# Altium PCB PCB2.PcbDoc
Units mm, origin at the board's own origin, x right, y up, seen from the top; angles counter-clockwise.
Board outline 80.03 x 99.93 mm, 2 copper layers (Top Layer, Bottom Layer); 22 components, 22 nets, 110 pads, 0 vias.
Unrouted connection lines stored in the file: 22.
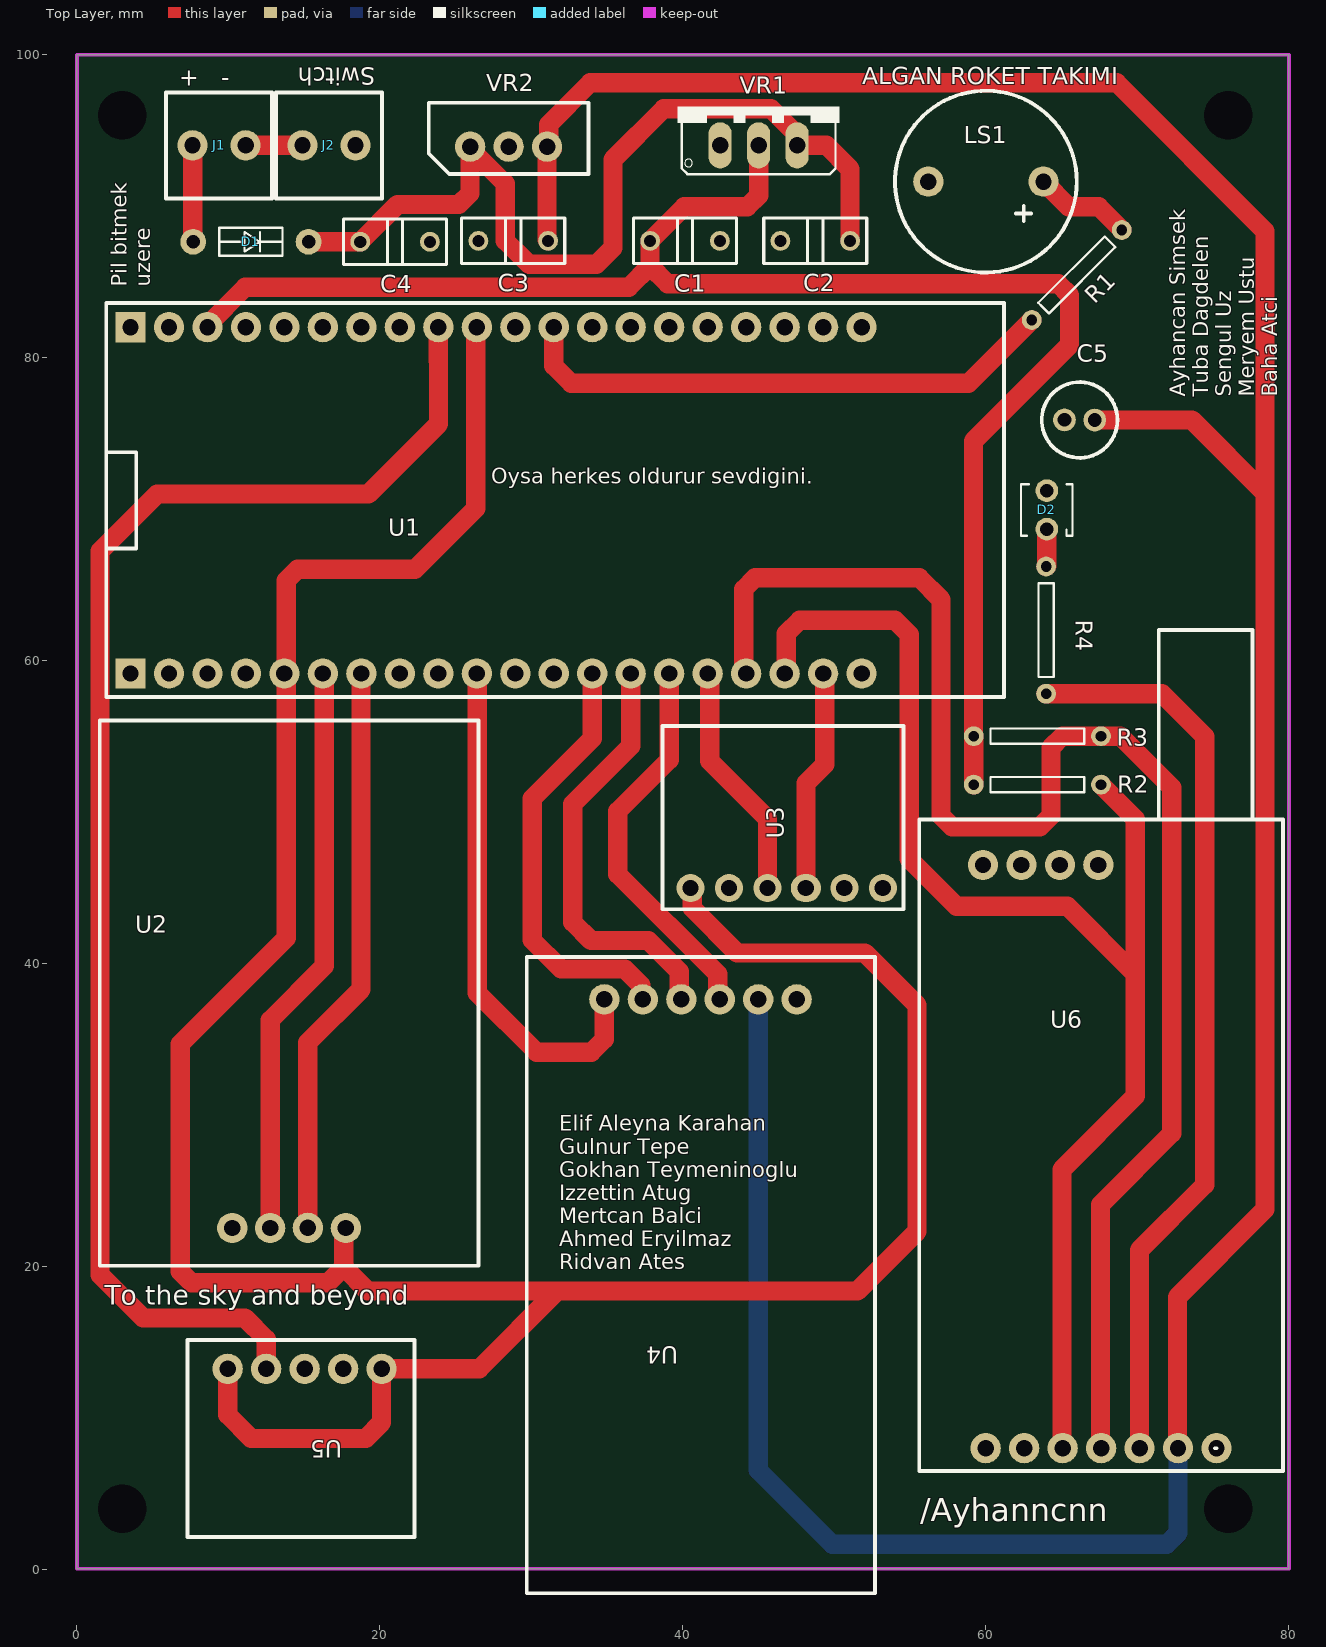
[diagram p0: Top Layer view]
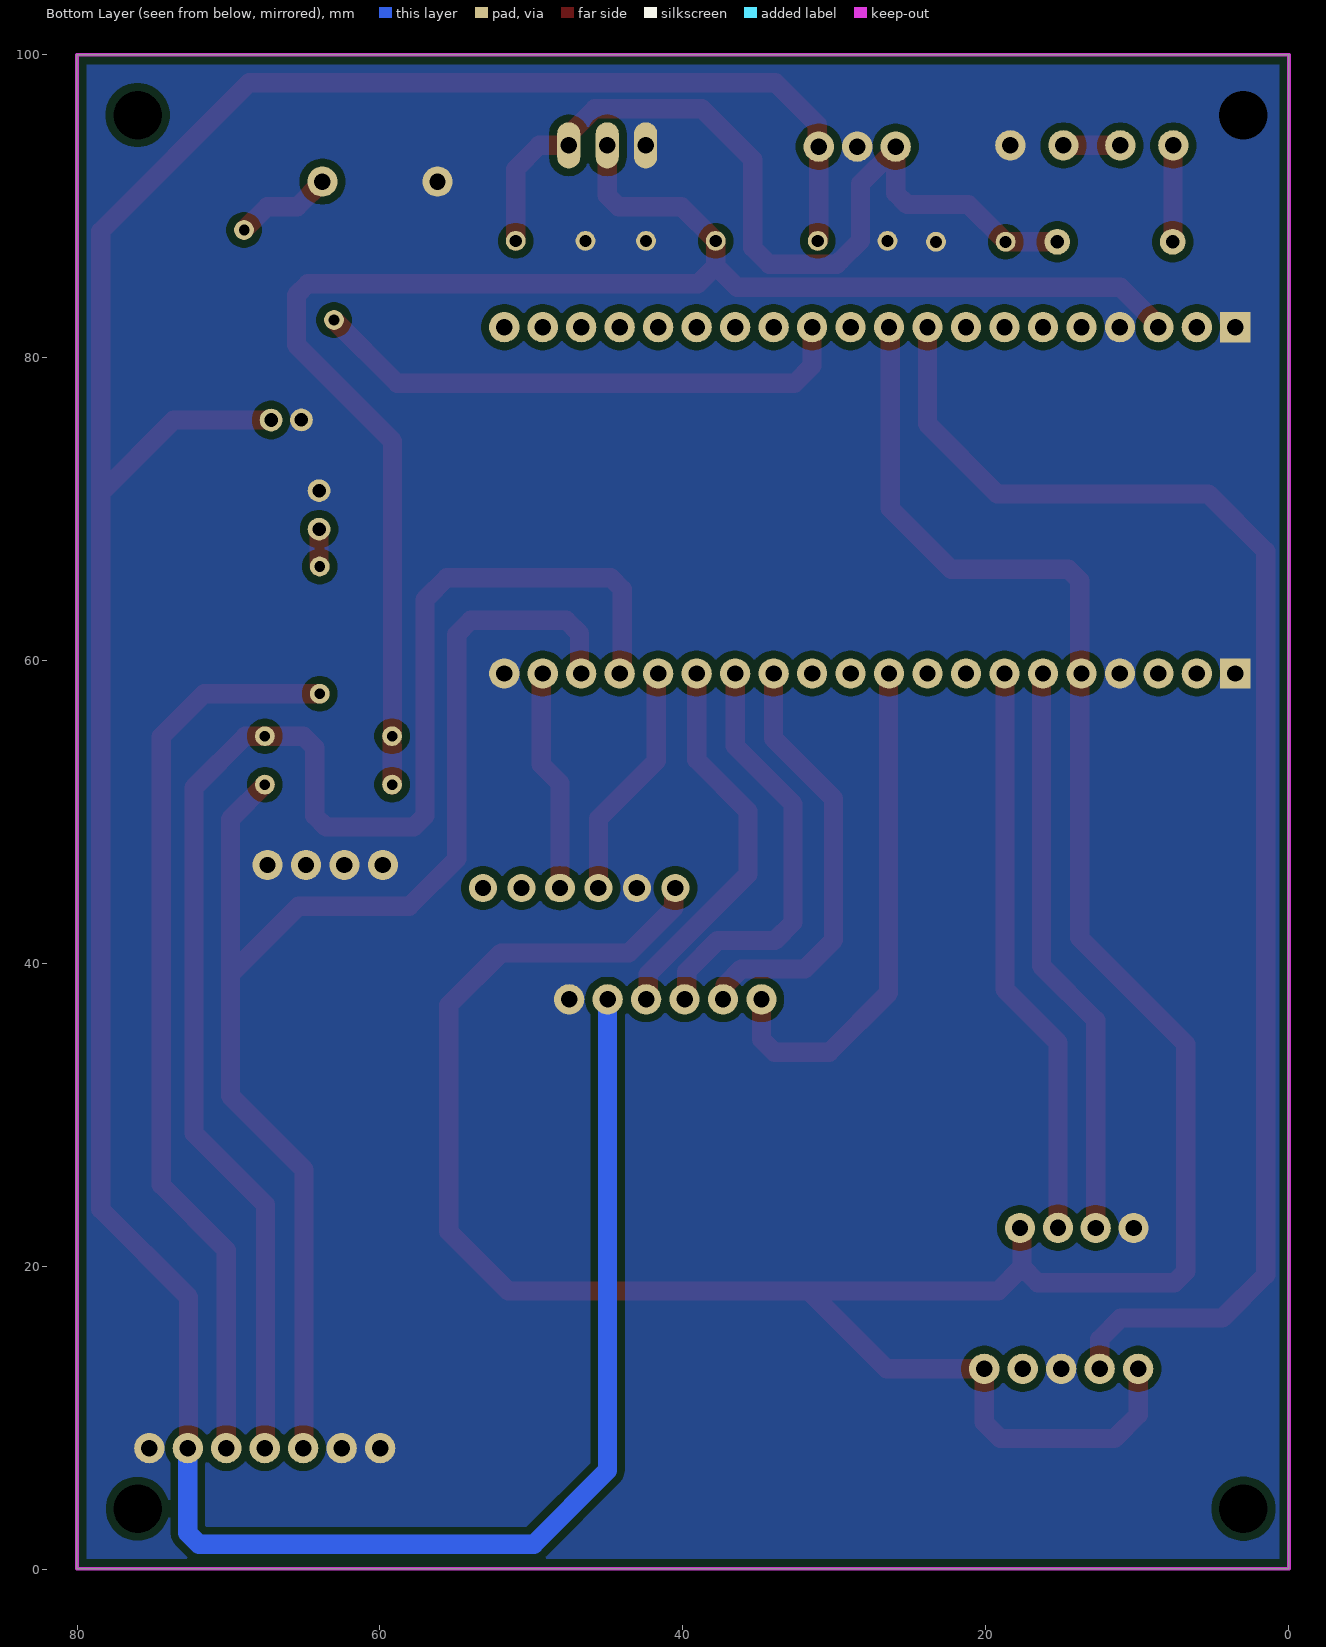
[diagram p1: Bottom Layer view, seen from below]
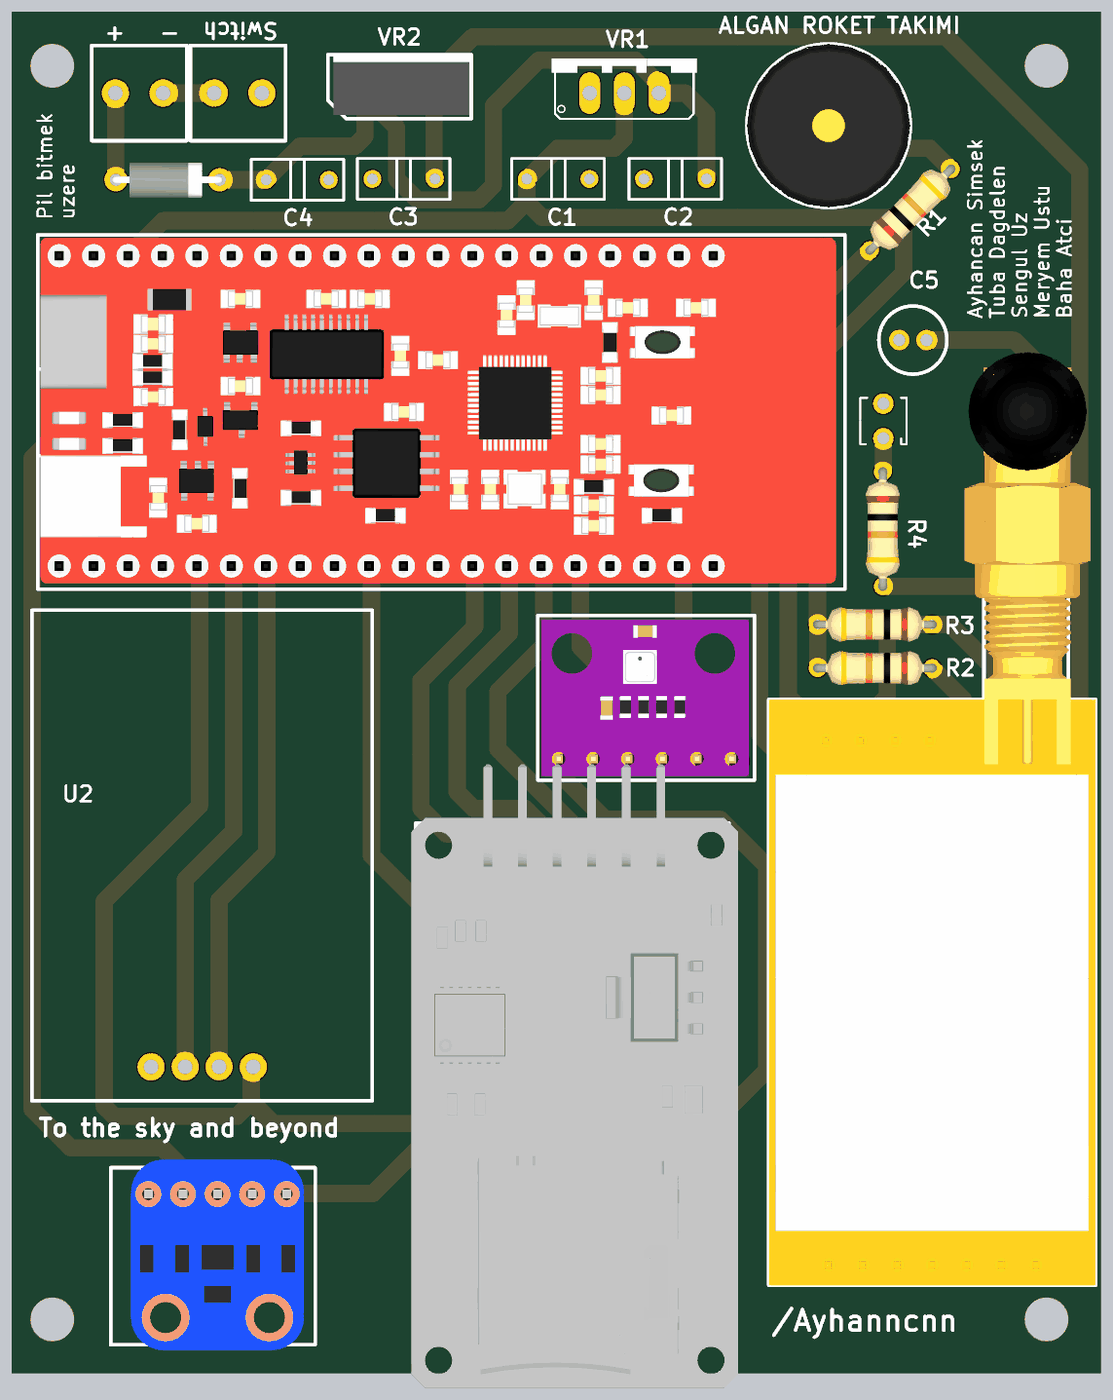
[diagram p2: 3D render of the assembled board from above, using the file's embedded part models]

## Layer stack, top to bottom
Top Solder: solder mask 0.0102, Solder Resist, Dk 3.5
Top Layer: signal copper 0.0356
Dielectric 1: dielectric 0.32, FR-4, Dk 4.8
Bottom Layer: signal copper 0.0356
Bottom Solder: solder mask 0.0102, Solder Resist, Dk 3.5

## Board outline
0,0.046 80.015,0.046 80.002,0.058 80.002,99.979 -0.01,99.979 0,99.969

## Design rules (kind name [scope] priority, off if disabled: settings)
AssemblyTestpoint AssemblyTestpoint_1 [All] p1: testpointundercomponent=TRUE minsize=1.016 maxsize=2.54 preferedsize=1.524 minholesize=0 maxholesize=1.016 preferedholesize=0.813 testpointgrid=0.025 usegrid=TRUE gridtolerance=0 allowsidetop=TRUE allowsidebottom=TRUE
Clearance [All] p1: gap=0.254 ignorepadtopadclearanceinfootprint=FALSE except(0.15: Arc-Text Track-Text SMDPad-Text THPad-Text Via-Text Fill-Text Poly-Text Region-Text Text-Text; 0.508: Arc-Poly Track-Poly SMDPad-Poly THPad-Poly Via-Poly Fill-Poly Poly-Poly)
Height [All] p1: minheight=0 maxheight=2539.975 prefheight=12.7
HoleSize [All] p1: absolutevalues=TRUE maxlimit=3.5 minlimit=0.025 maxpercent=80.000 minpercent=20.000
PlaneClearance [All] p1: clearance=1.016
PolygonConnect [All] p1: connectstyle=Direct reliefconductorwidth=0.508 reliefentries=4 polygonreliefangle="90 Angle" airgapwidth=0.508
RoutingVias [All] p1: holewidth=5 width=1 viastyle="Through Hole" minholewidth=5 minwidth=1 maxholewidth=5 maxwidth=1
SolderMaskExpansion [All] p1: expansion=0.102 istentingtop=FALSE
Width [All] p1: maxlimit=2.54 minlimit=1.016 preferedwidth=1.27 minimp=50.000000 maximp=50.000000 favimp=50.000000
26 further rules are at their usual default settings.

## Components (designator, comment, footprint, x,y, rotation, side; value= is the part's Value field where it differs from the comment)
C1 "10µF" LCAPACITOR 40.14,87.696 r180 top
C2 "100nF" LCAPACITOR 48.738,87.696 r0 top
C3 "0.33µF" LCAPACITOR 28.801,87.696 r0 top
C4 "0.1µF" LCAPACITOR 21,87.633 r180 top
C5 "1µF" CAPACITOR 66.187,75.872 r180 top
D1 "Diode" ZENER 11.483,87.633 r180 top
D2 "Led" LED 64.021,69.936 r270 top
J1 "Klemens" KLEMENS 9.383,94 r0 top
J2 "Klemens" KLEMENS 16.637,94 r0 top
LS1 "Buzzer" BUZZER 60,91.608 r270 top
R1 "1Ω" RESISTOR 66.002,85.443 r45 top
R2 "4.7kΩ" RESISTOR 63.4,51.8 r180 top
R3 "4.7kΩ" RESISTOR 63.4,55 r180 top
R4 "330Ω" RESISTOR 63.978,62 r270 top
U1 "ESP32 Thing" "ESP32 THING" 3.536,81.996 r270 top
U2 "NEO6MV2" NEO6MV2 14.004,22.539 r180 top
U3 "BMP80" BMP280 46.851,44.973 r180 top
U4 "SD Card Modul" "SD CARD MODüLü" 41.163,37.625 r270 top
U5 "ML8511" ML8511 15.032,13.238 r180 top
U6 "LORA E32" LORAE32 67.607,8 r180 top
VR1 "LD1117" LD1117 45,94 r0 top
VR2 "LM7805" LM7805 28.5,94 r0 top

## Footprints (in the part's own frame and the unit in brackets; to place one, negate y for a bottom-side part, rotate by r counter-clockwise, add the part's x,y. Pads: shape width x height; smd on the part's side, far side on the other; paste and mask are expansions set on the pad)
BMP280 [mm]
  round 1.86 hole 1.08: 1(6.35,0) 2(3.81,0) 3(1.27,0) 5(-3.81,0) 6(-6.35,0)
  oval 2x1.86 hole 1.08: 4(-1.27,0)
  silkscreen extent -7.7,-10.7 8.2,1.4, body extent -7.4,-10.4 7.94,1.1, height 2.6
BUZZER [mm]
  round 2 hole 1.08 mask+0.05: 1(0,3.8) 2(0,-3.8)
  silkscreen extent -6,-6 6,6, body extent -6,-6 6,6, height 9.5
CAPACITOR [mm]
  round 1.5 hole 0.9 mask+0.05: 1(-1,0.004) 2(1,-0.004)
  silkscreen extent -2.5,-2.5 2.5,2.5, body extent -2.58,-2.58 2.58,2.57, height 11.45
"ESP32 THING" [mm]
  round 2 hole 1.08 mask+0.05: 0(22.86,20.32) 2(22.86,22.86) 3V3_1(0,10.16) 3V3_2(22.86,10.16) 4(22.86,17.78) 5(22.86,27.94) 12(0,17.78) 13(0,15.24) 14(0,20.32) 15(22.86,25.4) 16(22.86,12.7) 17(22.86,15.24) 18(22.86,30.48) 19(22.86,35.56) 21(22.86,45.72) 22(22.86,38.1) 23(22.86,33.02) 25(0,27.94) 26(0,25.4) 27(0,22.86) 32(0,38.1) 33(0,35.56) 34(0,33.02) 35(0,30.48) 36(0,48.26) 37(0,45.72) 38(0,43.18) 39(0,40.64) GND_2(0,7.62) GND_4(22.86,7.62) GND_5(22.86,48.26) RST(0,12.7) RX(22.86,40.64) TX(22.86,43.18) VBAT_1(0,5.08) VBAT_2(22.86,5.08) VUSB_1(0,2.54) VUSB_2(22.86,2.54)
  rect 2x2 hole 1.08 mask+0.05: GND_1(0,0) GND_3(22.86,0)
  silkscreen extent -1.6,-1.6 24.4,57.66, body extent -1.4,-1.4 24,57, height 5.7
KLEMENS [mm]
  round 2 hole 1.08: 0(-1.75,0) 1(1.75,0)
  silkscreen extent -3.5,-3.5 3.5,3.5, body extent -3.5,-3.4 3.5,3.4, height 8.4
LCAPACITOR [mm]
  round 1.308 hole 0.8: 1(-2.3,0) 2(2.3,0)
  silkscreen extent -3.4,-1.5 3.4,1.5, body extent -3.3,-1.42 3.3,1.42, height 9.28
LD1117 [mil]
  oval 60x120 hole 42.52: 1(100,0) 2(0,0) 3(-100,0)
  silkscreen extent -210,-75 210,100, body extent -195,-67 199,63, height 669
LED [mm]
  round 1.5 hole 0.9: 1(-1.27,0) 2(1.27,0)
  silkscreen extent -1.7,-1.7 1.7,1.7, body extent -1.7,-1.7 1.7,1.7, height 5.35
LM7805 [mm]
  round 2 hole 1.08: 1(-2.544,-0.086) 2(-0.004,-0.086) 3(2.536,-0.086)
  silkscreen extent -5.27,-1.89 5.27,2.81, body extent -4.86,-1.61 5.11,2.84, height 15.75
LORAE32 [mm]
  round 2 hole 1.08: 1(-7.62,0) 2(-5.08,0) 3(-2.54,0) 4(0,0) 5(2.54,0) 6(5.08,0) 7(0.18,-38.5) 7(2.72,-38.5) 7(5.26,-38.5) 7(7.62,0) 7(7.8,-38.5)
  silkscreen extent -12,-54 12,1.5, body extent -12,-67 12,1.5, height 90.99
ML8511 [mm]
  round 2 hole 1.08 mask+0.05: 3V3(-2.54,0) EN(5.08,0) GND(0,0) OUT(2.54,0) VIN(-5.08,0)
  silkscreen extent -7.26,-1.9 7.74,11.1, body extent -6.45,-2.5 6.25,11.5, height 3.2
NEO6MV2 [mm]
  round 2 hole 1.08: 1(-3.75,0.006) 2(-1.239,-0.006) 3(1.25,0.006) 4(3.75,0.006)
  silkscreen extent -12.5,-33.5 12.5,2.5, body extent -12.87,-33.47 13.33,1.93, height 3.77
RESISTOR [mm]
  round 1.308 hole 0.7: 1(-4.2,0) 2(4.2,0)
  silkscreen extent -3.1,-0.5 3.1,0.5, body extent -4.55,-1.25 4.55,1.25, height 2.55
"SD CARD MODüLü" [mm]
  round 2 hole 1.08: 0(0,3.81) 1(0,-3.81) 2(0,-1.27) 3(0,1.27) 4(0,-6.35) 5(0,6.35)
  silkscreen extent -2.8,-11.47 39.2,11.53, body extent -7.1,-11.8 38.63,12.2, height 5.59
ZENER [mm]
  round 1.7 hole 0.9: 1(3.81,0) 2(-3.81,0)
  silkscreen extent -2.08,-0.92 2.08,0.92, body extent -4.03,-1.26 4.11,1.27, height 2.57

## Part data
C1 C2 C3 C4: library part Capacitor
C5: library part DCapacitor
R1 R2 R3 R4: library part Resistor
U1: "ESP32 802.11 Wireless LAN/Combo Wireless Module Development Kit", Frequency=2.4GHz, Manufacturer=SparkFun, Manufacturer Part Number=DEV-13907, Supplier Part Number 1=1568-1444-ND, Category="RF Semiconductors and Devices", ComponentLink1Description=https://github.com/sparkfun/ESP32_Thing?src-supplier=Digi-Key, ComponentLink1URL=https://github.com/sparkfun/ESP32_Thing?src-supplier=Digi-Key, Pricing 1="1=23,50000 (USD)", RoHS=No, Stock 1=568, Supplier 1=Digi-Key
U2: "U#NEO-6M Gps Module U-BLOX6 SMD24P", Manufacturer=u-blox, Manufacturer Part Number=NEO-6M-0, Supplier Part Number 1=377-NEO-6M-0, Pricing 1="1=60,00000, 10=41,87000, 50=27,23000, 100=17,72000, 1000=17,72000, 10000=17,72000 (USD)", RoHS=Yes, RoHS Compliant=Yes, Stock 1=236, Supplier 1=Mouser
U3: "Washer; #2 Screw Clr; 3/32 ID; 1/4 OD; 1/32 Height; Nylon", Case/Package=SMD/SMT, Manufacturer=Bosch, Manufacturer Part Number=BMP280, Max Operating Temperature=85°C, Min Operating Temperature=-40°C, Operating Pressure=15.95PSI, Package Quantity=1, Category="Pressure Sensors", ComponentLink1Description=https://ae-bst.resource.bosch.com/media/_tech/media/datasheets/BST-BMP280-DS001.pdf?src-supplier=Digi-Key, ComponentLink1URL=https://ae-bst.resource.bosch.com/media/_tech/media/datasheets/BST-BMP280-DS001.pdf?src-supplier=Digi-Key, ComponentLink2Description=http://www.mouser.com/ds/2/737/adafruit-bme280-humidity-barometric-pressure-tempe-740823.pdf?src-supplier=Mouser, ComponentLink2URL=http://www.mouser.com/ds/2/737/adafruit-bme280-humidity-barometric-pressure-tempe-740823.pdf?src-supplier=Mouser, ComponentLink3Description=https://learn.adafruit.com/downloads/pdf/adafruit-bme280-humidity-barometric-pressure-temperature-sensor-breakout.pdf?src-supplier=Digi-Key, ComponentLink3URL=https://learn.adafruit.com/downloads/pdf/adafruit-bme280-humidity-barometric-pressure-temperature-sensor-breakout.pdf?src-supplier=Digi-Key, Evaluation Kit=Yes, Lead Free="Lead Free", Max Pressure=290.08PSI, Number of Pins=8, Output Type=SPI,I2C, Port Style="No Port", Pressure Type=Absolute, Pricing 2="1=14,95000, 10=14,95000, 50=14,95000, 100=14,95000, 1000=14,95000, 10000=14,95000 (USD)", RoHS=No, Sensor Type=Temperature, Stock 2=658, Supplier 1="Future Electronics", Supplier 2=Mouser, Supplier Part Number 1=BMP280, Supplier Part Number 2=485-2652, Termination=SMD/SMT, Interface=I2C,SPI
U5: "IC, Uv Sensor, Voltage Output, QFN-12", Case/Package=SMD/SMT, Color=Black, Dark Current=100nA, Manufacturer=Rohm, Manufacturer Part Number=ML8511-00FCZ05B, Max Operating Temperature=70°C, Max Supply Voltage=3.6V, Min Operating Temperature=-20°C, Min Supply Voltage=2.7V, Package Quantity=1, Supplier Part Number 1=ML8511-00FCZ05BCT-ND, ComponentLink1Description=https://datasheet.ciiva.com/18466/ml8511-3-8-13-18466971.pdf?src-supplier=Digi-Key, ComponentLink1URL=https://datasheet.ciiva.com/18466/ml8511-3-8-13-18466971.pdf?src-supplier=Digi-Key, ComponentLink2Description=https://datasheet.ciiva.com/18466/ml8511-3-8-13-18466972.pdf?src-supplier=Digi-Key, ComponentLink2URL=https://datasheet.ciiva.com/18466/ml8511-3-8-13-18466972.pdf?src-supplier=Digi-Key, ComponentLink3Description=https://datasheet.ciiva.com/18466/ml8511-3-8-13-18466973.pdf?src-supplier=Digi-Key, ComponentLink3URL=https://datasheet.ciiva.com/18466/ml8511-3-8-13-18466973.pdf?src-supplier=Digi-Key, Diode Type=PIN, Lead Free="Lead Free", Material=PO,Polyolefin, Mount="Surface Mount", Number of Pins=12, Output Type=Voltage, Packaging="Cut Tape", RoHS=Yes, Series=-, Supplier 1=Digi-Key, Wavelength=365nm
U6: "WiFi-Modul 802.11/BT 2, 4-2, 5GHz 150Mb/s", Manufacturer="Espressif Systems", Manufacturer Part Number=ESP32-S3-WROOM-1-N16R8, Supplier Part Number 1=1965-ESP32-S3-WROOM-1-N16R8CT-ND, Category=Uncategorized, Pricing 1="1=4,29000 (USD)", RoHS=No, Stock 1=327, Supplier 1=Digi-Key
VR1: "LDO Regulator Pos 3.3V 1.3A 3-Pin(3+Tab) TO-220 Tube (Alt: LD1117V33C)", Case/Package=TO, Dropout Voltage=1.1V, Manufacturer=STMicroelectronics, Manufacturer Part Number=LD1117V33C, Max Operating Temperature=125°C, Max Output Current=1.3A, Max Power Dissipation=12W, Max Input Voltage=15V, Min Operating Temperature=-40°C, Min Output Voltage=3.3V, Output Current=800mA, Output Voltage Accuracy=1%, Package Quantity=50, Quiescent Current=10mA, Supplier Part Number 1=497-1492-5-ND, Input Bias Current=5mA, Accuracy=1%, Category="Voltage Regulators - Linear", ComponentLink1Description=https://datasheet.ciiva.com/1511/1776449-1511580.pdf?src-supplier=Element14, ComponentLink1URL=https://datasheet.ciiva.com/1511/1776449-1511580.pdf?src-supplier=Element14, ComponentLink2Description=https://datasheet.ciiva.com/16226/cd00000544-16226333.pdf?src-supplier=Future+Electronics, ComponentLink2URL=https://datasheet.ciiva.com/16226/cd00000544-16226333.pdf?src-supplier=Future+Electronics, ComponentLink3Description=https://datasheet.ciiva.com/2044/cd00000544-2044110.pdf?src-supplier=Digi-Key, ComponentLink3URL=https://datasheet.ciiva.com/2044/cd00000544-2044110.pdf?src-supplier=Digi-Key, Height=9.15mm, Lead Free="Lead Free", Length=10.4mm, Mount="Through Hole", Nominal Output Voltage=3.3V, Number of Outputs=1, Number of Pins=3, Number of Regulators=1, Output Type=Fixed, Output Voltage=3.3V, Packaging=Rail/Tube, Polarity=Positive, Power Dissipation=12W, Pricing 1="1=0,84000, 10=0,74000, 25=0,69520, 100=0,56750, 250=0,52708, 500=0,44860, 1000=0,37030 (USD)", Radiation Hardening=No, REACH SVHC="No SVHC", RoHS=Yes, RoHS Compliant=Yes, Series=-, Stock 1=30, Supplier 1=Digi-Key, Weight=0.02lb, Width=4.6mm
VR2: "LM78XX Series 5 V Fixed Output 1 A 3-Terminal LDO Voltage Regulator - TO-220", Case/Package=TO-220-3, Current Rating=1A, Dropout Voltage=2V, Manufacturer="ON Semiconductor / Fairchild", Manufacturer Part Number=LM7805CT, Max Operating Temperature=125°C, Max Output Voltage=5.2V, Max Input Voltage=35V, Min Operating Temperature=-40°C, Min Output Voltage=5V, Min Input Voltage=7V, Output Voltage Accuracy=4%, Package Quantity=50, Power Supply Rejection Ratio (PSRR)=73dB, Quiescent Current=8mA, Supplier Part Number 1=LM7805CT-ND, Accuracy=4%, Category="Voltage Regulators - Linear", ComponentLink1Description=https://datasheet.ciiva.com/19456/786138-19456361.pdf?src-supplier=Jameco, ComponentLink1URL=https://datasheet.ciiva.com/19456/786138-19456361.pdf?src-supplier=Jameco, ComponentLink2Description=https://datasheet.ciiva.com/1512/1855686-1512105.pdf?src-supplier=Element14, ComponentLink2URL=https://datasheet.ciiva.com/1512/1855686-1512105.pdf?src-supplier=Element14, ComponentLink3Description=https://datasheet.ciiva.com/1512/1855686-1512106.pdf?src-supplier=Element14, ComponentLink3URL=https://datasheet.ciiva.com/1512/1855686-1512106.pdf?src-supplier=Element14, ComponentLink4Description=https://datasheet.ciiva.com/1511/1855686-1511835.pdf?src-supplier=Element14, ComponentLink4URL=https://datasheet.ciiva.com/1511/1855686-1511835.pdf?src-supplier=Element14, ComponentLink5Description=https://datasheet.ciiva.com/8239/lm7812-8239478.pdf?src-supplier=Avnet, ComponentLink5URL=https://datasheet.ciiva.com/8239/lm7812-8239478.pdf?src-supplier=Avnet, ComponentLink6Description=https://datasheet.ciiva.com/17332/lm7805-17332792.pdf?src-supplier=Future+Electronics, ComponentLink6URL=https://datasheet.ciiva.com/17332/lm7805-17332792.pdf?src-supplier=Future+Electronics, ComponentLink7Description=https://datasheet.ciiva.com/2039/lm7805-2039365.pdf?src-supplier=Digi-Key, ComponentLink7URL=https://datasheet.ciiva.com/2039/lm7805-2039365.pdf?src-supplier=Digi-Key, ComponentLink8Description=https://datasheet.ciiva.com/48694/001253095-da-01-en-ic-reg-ldo-5v-1a-lm7805ct-to-220-3-fsc-48694790.pdf?src-supplier=Conrad, ComponentLink8URL=https://datasheet.ciiva.com/48694/001253095-da-01-en-ic-reg-ldo-5v-1a-lm7805ct-to-220-3-fsc-48694790.pdf?src-supplier=Conrad, Height=16.3mm, Lead Free="Lead Free", Length=10.67mm, Max Output Current=1A, Mount="Through Hole", Nominal Output Voltage=5V, Number of Outputs=1, Number of Pins=3, Number of Regulators=1, Output Current=1A, Output Type=Fixed, Output Voltage=5V, Packaging=Rail/Tube, Polarity=Positive, Radiation Hardening=No, REACH SVHC="No SVHC", RoHS=Yes, RoHS Compliant=Yes, Supplier 1=Digi-Key, Weight=1.214g, Width=4.7mm
U4: ComponentLink1Description=Datasheet, ComponentLink1URL=https://www.robolinkmarket.com/mikro-sd-kart-modulu?gclid=CjwKCAiAmuKbBhA2EiwAxQnt78OaB-zGV_fY0ZC8aCN55WRXhNGCRLTzrWpBnvPU45m0bp0klij65RoCjc0QAvD_BwE

## Free pads (board coordinates)
  round 1 hole 3.2: 17(3,4) 17(3,96) 17(76,4) 17(76,96)

## Nets (pads, with @x,y where several pads share a name; then routed paths per layer and width w, separated by ;. In a path a pad name is that pad's centre, name@x,y a point inside that pad or via, vN(x,y) a via of type N, cw(c..) or ccw(c..) an arc to the next point about the centre after c; other vN are vias at no path point)
3V3: C1.2 R2.2 R3.2 U1.VBAT_1 VR1.2 | length 107.8
  Top Layer w1.27: U1.VBAT_1 8.616,82.128 11.117,84.629 36.433,84.629 37.832,86.029 ; C1.2 37.832,87.689 37.832,86.029 ; C1.2 40.09,89.946 44.256,89.946 45,90.69 VR1.2 ; R3.2@59.178,55 59.178,74.481 65.517,80.82 65.517,84.117 64.773,84.861 39,84.861 37.832,86.029 ; R2.2@59.193,51.8 59.193,54.359 59.201,54.367 R3.2@59.201,54.993
3V3_2: U1.3V3_2 U1.27 U2.1 U3.1 U5.EN U5.VIN | length 194.6
  Top Layer w1.27: U5.EN 9.952,10.203 11.514,8.641 19.058,8.641 20.112,9.695 U5.VIN 26.556,13.238 31.697,18.379 ; U2.1 17.615,22.394 17.615,19.952 ; U1.27 26.319,81.92 26.319,70.023 22.311,66.015 14.554,66.015 13.81,65.271 13.81,59.136 13.81,41.678 6.813,34.68 6.813,19.662 7.557,18.918 16.58,18.918 17.615,19.952 ; U3.1 40.614,44.861 40.614,43.658 43.579,40.693 52.019,40.693 55.455,37.258 55.455,22.305 51.529,18.379 31.697,18.379 ; 17.615,19.952 19.188,18.379 31.697,18.379
5V: C3.2 C5.1 U4.0 U6.2 VR2.3 | length 222.8
  Top Layer w1.27: VR2.3@31.036,93.596 31.036,87.772 31.101,87.706 C3.2 ; VR2.3 31.139,94.018 31.139,95.378 33.889,98.128 53.19,98.128 68.644,98.128 78.433,88.338 78.433,71.041 ; VR2.3@31.213,93.774 VR2.3@31.373,93.774 ; C5.1 73.607,75.868 78.433,71.041 ; U6.2@72.641,8 72.641,17.976 78.433,23.768 78.433,71.041
  Bottom Layer w1.27: U4.0 44.973,6.541 49.855,1.659 71.943,1.659 72.687,2.403 U6.2
Buzzer: R1.1 U1.25 | length 36.3
  Top Layer w1.27: U1.25 31.476,79.451 32.629,78.298 58.857,78.298 R1.1
CS: U1.2 U4.4 | length 33.8
  Top Layer w1.27: U1.2@26.429,58.83 26.429,38.049 30.348,34.13 33.957,34.13 34.813,34.986 U4.4
GND: C1.1 C2.1 C3.1 C4.1 C5.2 D2.1 J2.1 LS1.2 pad.17@3,96 U1.GND_1 U1.GND_2 U1.GND_3 U1.GND_4 U1.GND_5 U2.4 U3.2 U4.5 U5.GND U6.1 U6.6 U6.7 VR1.3 VR2.2
MISO: U1.19 U4.3 | length 25.7
  Top Layer w1.27: U1.19 39.096,53.437 35.707,50.048 35.707,45.89 42.294,39.304 42.294,37.765 U4.3
MOSI: U1.23 U4.2 | length 28.3
  Top Layer w1.27: U1.23 36.556,54.353 32.728,50.526 32.728,42.713 33.932,41.509 37.714,41.509 39.754,39.469 39.754,37.765 U4.2
NetC2_2: C2.2 C4.2 D1.2 VR1.1 VR2.1 | length 60
  Top Layer w1.27: D1.2 C4.2 21.163,90.096 25.212,90.096 25.956,90.84 VR2.1@25.956,93.783 ; VR2.1 VR2.1@25.956,93.783 ; C2.2 51.038,92.442 49.48,94 VR1.1 47.54,94.693 45.82,96.413 38.742,96.413 35.392,93.063 35.392,87.241 34.304,86.153 29.836,86.153 29.614,86.375 28.279,87.711 28.279,91.46 VR2.1@25.956,93.783
NetD1_1: D1.1 J1.0 | length 6.4
  Top Layer w1.27: J1.0 7.653,93.98 7.653,87.653 D1.1 D1.1@7.653,87.653
NetD2_2: D2.2 R4.1 | length 2.5
  Top Layer w1.27: R4.1 63.978,66.21 64.021,66.253 D2.2
NetJ1_1: J1.1 J2.0 | length 3.8
  Top Layer w1.27: J1.1 J2.0
NetLS1_1: LS1.1 R1.2 | length 6.5
  Top Layer w1.27: LS1.1 65.459,89.949 67.446,89.949 68.972,88.423 R1.2
NetR4_2: R4.2 U6.3 | length 60.4
  Top Layer w1.27: R4.2 71.623,57.8 74.445,54.978 74.445,25.388 70.147,21.09 U6.3
OUT: U1.14 U5.OUT | length 94.7
  Top Layer w1.27: U5.OUT 12.492,15.194 11.095,16.591 4.379,16.591 1.524,19.446 1.524,67.211 5.301,70.988 19.248,70.988 23.861,75.601 23.861,79.77 23.856,79.775 U1.14
RX: R2.1 U1.TX U6.5 | length 91.3
  Top Layer w1.27: U1.TX@46.827,59.015 46.827,61.77 47.709,62.652 54.003,62.652 54.939,61.715 54.939,46.896 58.065,43.769 65.381,43.769 69.868,39.282 ; U6.5@65.021,8 65.021,26.394 69.868,31.24 69.868,39.282 ; R2.1 69.868,49.532 69.868,39.282
RX2: U1.17 U2.2 | length 37.8
  Top Layer w1.27: U2.2 15.243,34.772 18.748,38.277 U1.17@18.748,58.872
SCK: U1.18 U4.1 | length 28.6
  Top Layer w1.27: U1.18 34.016,54.846 30.058,50.889 30.058,41.537 31.966,39.629 36.166,39.629 37.214,38.581 37.214,37.765 U4.1
SCL: U1.22 U3.3 | length 15.8
  Top Layer w1.27: U1.22 41.768,59.004 41.768,53.362 45.581,49.548 U3.3
SDA: U1.21 U3.4 | length 14.3
  Top Layer w1.27: U3.4 48.121,51.898 49.357,53.134 U1.21@49.357,58.799
TX: R3.1 U1.RX U6.4 | length 101.5
  Top Layer w1.27: U1.RX 44.036,59.276 44.036,59.792 44.013,59.815 44.013,64.706 44.757,65.45 55.599,65.45 57.033,64.015 57.033,49.741 57.777,48.997 63.562,48.997 64.306,49.741 64.306,54.256 65.05,55 67.609,55 67.616,54.993 68.893,54.993 72.276,51.61 72.276,28.781 67.561,24.066 U6.4@67.561,8
TX2: U1.16 U2.3 | length 37.7
  Top Layer w1.27: U2.3 12.754,36.251 16.325,39.821 U1.16@16.325,58.799
pads on no net: U1.0 U1.3V3_1 U1.4 U1.5 U1.12 U1.13 U1.15 U1.26 U1.32 U1.33 U1.34 U1.35 U1.36 U1.37 U1.38 U1.39 U1.RST U1.VBAT_2 U1.VUSB_1 U1.VUSB_2 U3.5 U3.6 U5.3V3

## Polygon pours and split planes (outlines as drawn)
GND on Bottom Layer "GND_L02_P000" (solid, pour order 0): 80.002,99.979 -0.025,99.979 -0.038,99.967 0.02,99.908 0.02,-0.074 79.794,-0.074 79.972,0.104

## Keep-outs
Keep-Out Layer:
  the board outline again, w0.254

## Silkscreen, mask and mechanical layers (free items; w line width, h text height)
Top Overlay:
  text "Switch" at 19.69,99.134 h1.14 r180
  text "ALGAN ROKET TAKIMI" at 51.841,98.034 h1.14
  text "+   -" at 6.744,97.935 h1.14
  text "Pil bitmek  / uzere" at 4.826,84.668 h1.02 r90
  text "Ayhancan Simsek / Tuba Dagdelen / Sengul Uz / Meryem Ustu / Baha Atci" at 79.245,77.412 h1.02 r90
  text "Oysa herkes oldurur sevdigini." at 27.343,71.649 h1.02
  text "Elif Aleyna Karahan / Gulnur Tepe / Gokhan Teymeninoglu / Izzettin Atug / Mertcan Balci / Ahmed Eryilmaz / Ridvan Ates" at 31.847,19.797 h1.02
  text "To the sky and beyond" at 1.844,17.469 h1.27
  text "/Ayhanncnn" at 55.662,3.193 h1.52

## Text inside footprints (layer, text, board x,y; h text height)
VR1: Mechanical 13 "3" at 46.906,92.729 h1.27; Mechanical 13 "2" at 44.364,92.728 h1.27; Mechanical 13 "1" at 41.823,92.729 h1.27